# Altium PCB Motherboard.PcbDoc (part 2 of 2) (continued)
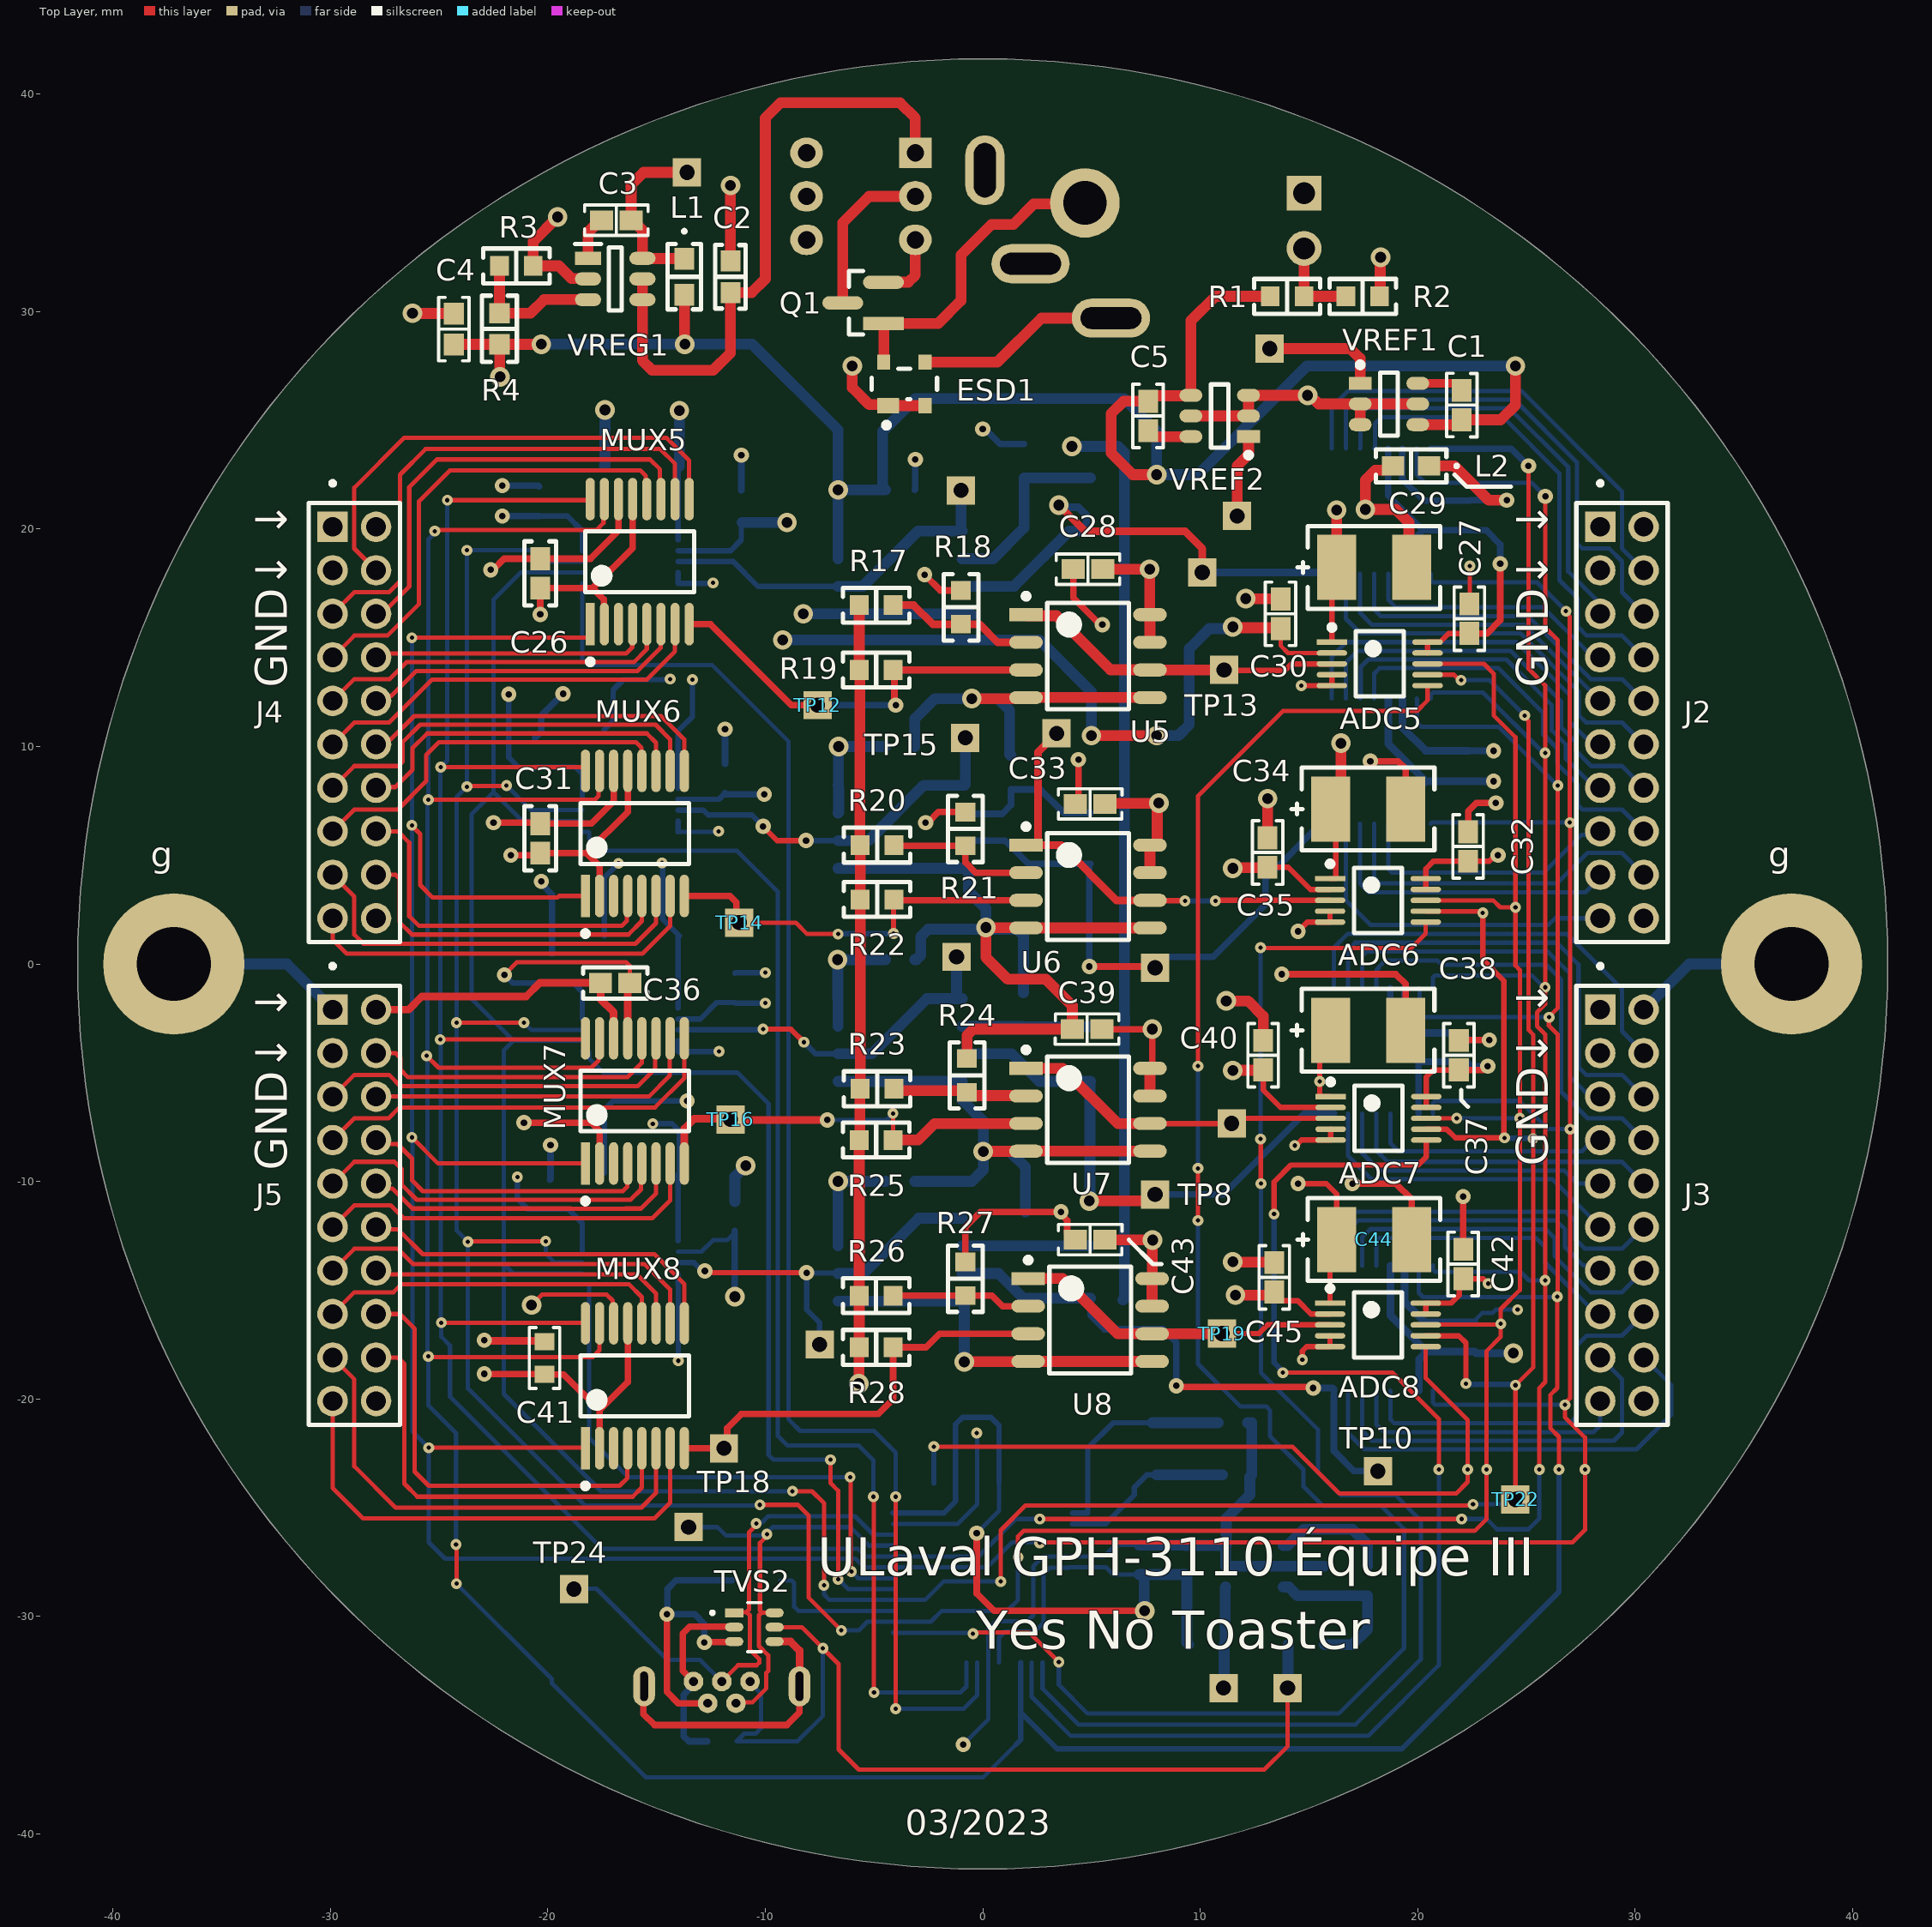
[diagram p0: Top Layer view]
## Nets (pads, with @x,y where several pads share a name; then routed paths per layer and width w, separated by ;. In a path a pad name is that pad's centre, name@x,y a point inside that pad or via, vN(x,y) a via of type N, cw(c..) or ccw(c..) an arc to the next point about the centre after c; other vN are vias at no path point) (continued)
E6: J3.14 MUX4.11 | length 16.5
  Bottom Layer w0.2: MUX4.11@17.45,-13.873 17.45,-12.574 17.828,-12.195 24.497,-12.195 24.501,-12.2 25.9,-12.2 26.3,-12.6 26.3,-13.434 27.966,-15.1 29.4,-15.1 J3.14@30.4,-14.1
E7: J3.7 MUX4.10 | length 14.8
  Bottom Layer w0.2: MUX4.10@16.8,-13.873 16.8,-12.249 17.253,-11.795 24.722,-11.795 24.726,-11.8 26.375,-11.8 26.775,-12.2 26.775,-13.025 27.62,-13.87 28.17,-13.87 J3.7@28.4,-14.1
E8: J3.15 MUX4.9 | length 18
  Bottom Layer w0.2: MUX4.9@16.15,-13.873 16.15,-11.974 16.728,-11.395 26.82,-11.395 27.25,-11.825 27.25,-12.649 27.701,-13.1 29.4,-13.1 J3.15@30.4,-12.1
F1: J4.17 MUX5.4 | length 13
  Top Layer w0.2: J4.17@-27.9,14.1 -27.725,14.275 -16.4,14.275 -16.12,14.555 -16.12,15.603 MUX5.4@-16.1,15.623
F2: J4.5 MUX5.5 | length 16.6
  Top Layer w0.2: J4.5@-29.9,12.1 -28.9,13.1 -27.275,13.1 -26.5,13.875 -16.046,13.875 -15.45,14.471 MUX5.5@-15.45,15.623
F3: J4.16 MUX5.6 | length 15.2
  Top Layer w0.2: J4.16@-27.9,12.1 -27.67,12.33 -27.195,12.33 -26.05,13.475 -15.875,13.475 -14.808,14.542 -14.808,15.615 MUX5.6@-14.8,15.623
F4: J4.6 MUX5.7 | length 18.8
  Top Layer w0.2: J4.6@-29.9,10.1 -28.9,11.1 -27.3,11.1 -25.325,13.075 -15.45,13.075 -14.15,14.375 MUX5.7@-14.15,15.623
F5: J4.4 MUX5.12 | length 21.9
  Top Layer w0.2: J4.4@-29.9,14.1 -28.9,15.1 -27.375,15.1 -25.925,16.55 -25.925,21.275 -24.5,22.7 -15.75,22.7 -15.492,22.442 -15.492,21.416 MUX5.12@-15.45,21.374
F6: J4.18 MUX5.11 | length 20.3
  Top Layer w0.2: J4.18@-27.9,16.1 -27.625,16.1 -26.375,17.35 -26.375,21.925 -25.1,23.2 -15.3,23.2 -14.842,22.742 -14.842,21.416 MUX5.11@-14.8,21.374
F7: J4.3 MUX5.10 | length 23.7
  Top Layer w0.2: J4.3@-29.9,16.1 -28.9,17.1 -27.3,17.1 -26.8,17.6 -26.8,22.5 -25.625,23.675 -14.825,23.675 -14.15,23 MUX5.10@-14.15,21.374
F8: J4.19 MUX5.9 | length 22.8
  Top Layer w0.2: J4.19@-27.9,18.1 -28.905,19.105 -28.905,19.271 -28.9,19.276 -28.9,21.9 -26.6,24.2 -14.55,24.2 -13.5,23.15 MUX5.9@-13.5,21.374
G1: J4.13 MUX6.4 | length 16.6
  Top Layer w0.2: J4.13@-27.9,6.1 -26.9,6.1 -26.375,5.575 -26.375,2.2 -25.925,1.75 -16.6,1.75 -16.367,1.983 -16.367,3.082 MUX6.4@-16.325,3.125
G2: J4.12 MUX6.5 | length 15.9
  Top Layer w0.2: J4.12@-27.9,4.1 -27,4.1 -26.825,3.925 -26.825,1.925 -26.25,1.35 -16.297,1.35 -15.675,1.972 MUX6.5@-15.675,3.125
G3: J4.9 MUX6.6 | length 18.9
  Top Layer w0.2: J4.9@-29.9,4.1 -28.9,3.1 -28.9,1.35 -28.475,0.925 -15.975,0.925 -15.025,1.875 MUX6.6@-15.025,3.125
G4: J4.10 MUX6.7 | length 18.7
  Top Layer w0.2: J4.10@-29.9,2.1 -29.9,1.125 -29.25,0.475 -15.65,0.475 -14.375,1.75 MUX6.7@-14.375,3.125
G5: J4.8 MUX6.12 | length 17.8
  Top Layer w0.2: J4.8@-29.9,6.1 -28.9,7.1 -26.9,7.1 -25.6,8.4 -25.6,9.6 -25,10.2 -15.95,10.2 -15.695,9.945 -15.695,8.895 MUX6.12@-15.675,8.875
G6: J4.14 MUX6.11 | length 16
  Top Layer w0.2: J4.14@-27.9,8.1 -27.867,8.133 -27.017,8.133 -26.225,8.925 -26.225,9.925 -25.55,10.6 -15.45,10.6 -15.025,10.175 MUX6.11@-15.025,8.875
G7: J4.7 MUX6.10 | length 19
  Top Layer w0.2: J4.7@-29.9,8.1 -28.9,9.1 -26.875,9.1 -26.675,9.3 -26.675,10.2 -25.875,11 -15.05,11 -14.375,10.325 MUX6.10@-14.375,8.875
G8: J4.15 MUX6.9 | length 16.6
  Top Layer w0.2: J4.15@-27.9,10.1 -27.67,10.33 -27.22,10.33 -26.15,11.4 -14.8,11.4 -13.725,10.325 MUX6.9@-13.725,8.875
H1: J5.17 MUX7.4 | length 14.3
  Top Layer w0.2: J5.17@-27.9,-8.1 -27.718,-8.282 -26.918,-8.282 -26.25,-8.95 -26.25,-9.95 -25.75,-10.45 -18.613,-10.45 -18.61,-10.453 -16.764,-10.453 -16.76,-10.45 -16.55,-10.45 -16.345,-10.245 -16.345,-9.195 MUX7.4@-16.325,-9.175
H2: J5.5 MUX7.5 | length 17.2
  Top Layer w0.2: J5.5@-29.9,-10.1 -28.9,-9.1 -27.05,-9.1 -26.725,-9.425 -26.725,-10.15 -26.025,-10.85 -18.778,-10.85 -18.775,-10.853 -16.598,-10.853 -16.595,-10.85 -16.197,-10.85 -15.717,-10.37 -15.717,-9.218 MUX7.5@-15.675,-9.175
H3: J5.16 MUX7.6 | length 15
  Top Layer w0.2: J5.16@-27.9,-10.1 -27.67,-10.33 -27.145,-10.33 -26.225,-11.25 -18.944,-11.25 -18.941,-11.253 -16.432,-11.253 -16.429,-11.25 -15.713,-11.25 -15.025,-10.562 MUX7.6@-15.025,-9.175
H4: J5.6 MUX7.7 | length 18.2
  Top Layer w0.2: J5.6@-29.9,-12.1 -28.9,-11.1 -27.225,-11.1 -26.625,-11.7 -15.2,-11.7 -14.375,-10.875 MUX7.7@-14.375,-9.175
H5: J5.19 MUX7.12 | length 14.4
  Top Layer w0.2: J5.19@-27.9,-4.1 -27,-4.1 -26.775,-4.325 -26.775,-4.875 -26.45,-5.2 -16.325,-5.2 -15.675,-4.55 MUX7.12@-15.675,-3.425
H6: J5.3 MUX7.11 | length 17.2
  Top Layer w0.2: J5.3@-29.9,-6.1 -28.9,-5.1 -27.3,-5.1 -26.775,-5.625 -15.875,-5.625 -15.067,-4.817 -15.067,-3.467 MUX7.11@-15.025,-3.425
H7: J5.18 MUX7.10 | length 15.6
  Top Layer w0.2: J5.18@-27.9,-6.1 -15.35,-6.1 -14.4,-5.15 -14.4,-3.45 MUX7.10@-14.375,-3.425
H8: J5.4 MUX7.9 | length 19.2
  Top Layer w0.2: J5.4@-29.9,-8.1 -28.9,-7.1 -27.325,-7.1 -26.825,-6.6 -15.075,-6.6 -13.725,-5.25 MUX7.9@-13.725,-3.425
I1: J5.13 MUX8.4 | length 20.2
  Top Layer w0.2: J5.13@-27.9,-16.1 -26.8,-16.1 -26.125,-16.775 -26.125,-23.35 -25.475,-24 -16.7,-24 -16.348,-23.648 -16.348,-22.298 MUX8.4@-16.325,-22.275
I2: J5.12 MUX8.5 | length 20.1
  Top Layer w0.2: J5.12@-27.9,-18.1 -26.9,-18.1 -26.6,-18.4 -26.6,-23.9 -26,-24.5 -16.1,-24.5 -15.675,-24.075 MUX8.5@-15.675,-22.275
I3: J5.9 MUX8.6 | length 22.4
  Top Layer w0.2: J5.9@-29.9,-18.1 -28.9,-19.1 -28.9,-23.1 -27,-25 -15.7,-25 -15.025,-24.325 MUX8.6@-15.025,-22.275
I4: J5.10 MUX8.7 | length 22.9
  Top Layer w0.2: J5.10@-29.9,-20.1 -29.9,-24.1 -28.5,-25.5 -15.1,-25.5 -14.375,-24.775 MUX8.7@-14.375,-22.275
I5: J5.8 MUX8.12 | length 16.2
  Top Layer w0.2: J5.8@-29.9,-16.1 -28.9,-15.1 -27.1,-15.1 -26.725,-14.725 -16.275,-14.725 -15.675,-15.325 MUX8.12@-15.675,-16.525
I6: J5.14 MUX8.11 | length 14.7
  Top Layer w0.2: J5.14@-27.9,-14.1 -27.725,-14.275 -15.9,-14.275 -15.025,-15.15 MUX8.11@-15.025,-16.525
I7: J5.7 MUX8.10 | length 18.3
  Top Layer w0.2: J5.7@-29.9,-14.1 -28.9,-13.1 -26.9,-13.1 -26.2,-13.8 -15.55,-13.8 -14.375,-14.975 MUX8.10@-14.375,-16.525
I8: J5.15 MUX8.9 | length 17.1
  Top Layer w0.2: J5.15@-27.9,-12.1 -27.787,-12.213 -26.887,-12.213 -25.75,-13.35 -15.1,-13.35 -13.725,-14.725 MUX8.9@-13.725,-16.525
MISO: ADC1.7 ADC2.7 ADC3.7 ADC4.7 ADC5.7 ADC6.7 ADC7.7 ADC8.7 ATSAMD1.28 TP22.1 | length 177.4
  Top Layer w0.2: v1(-8.75,-24.25) -7.85,-24.25 -7.3,-24.8 v1(-7.3,-28.575) ; v1(0.825,-28.4) 0.825,-26.05 1.975,-24.9 22.5,-24.9 v1(22.55,-24.85) ; ADC6.7@20.385,2.415 22.853,2.415 22.919,2.35 v1(23,2.35) ; ADC5.7@20.458,13.3 21.669,13.3 21.919,13.05 v1(22,13.05) ; TP22.1@24.5,-24.625 v1(24.5,-19.375) 25.314,-18.561 v1(25.314,-8.036) 25.314,-3.245 25.1,-3.031 25.1,11.169 24.925,11.344 v1(24.925,11.425)
  Top Layer w0.25: ADC8.7@20.375,-17.1 21.898,-17.1 22.225,-17.427 v1(22.225,-19.3) ; ADC7.7@20.4,-7.6 21.335,-7.6 21.735,-8 v1(24,-8) 23.975,-7.975 23.975,-0.775 23,0.2 v1(23,2.35)
  Bottom Layer w0.2: ADC4.7@-18.417,-14.235 -21.59,-14.235 -22.025,-13.8 ; ADC3.7@-18.417,-3.529 -21.584,-3.529 ; ADC2.7@-18.417,6.571 -21.171,6.571 -22.5,7.9 ; ADC1.7@-18.417,18.003 -18.418,18.002 -21.248,18.002 -22.5,16.75 -22.5,7.9 ; v1(-8.75,-24.25) -17.55,-24.25 -22.025,-19.775 -22.025,-13.8 ; v1(-7.3,-28.575) -7.3,-29 -7.05,-29.25 ATSAMD1.28@-4.125,-29.25 -2.65,-29.25 -1.8,-28.4 v1(0.825,-28.4) ; v1(22,13.05) 23.3,13.05 v1(24.925,11.425) ; v1(22.55,-24.85) 23.95,-24.85 24.1,-24.7 TP22.1@24.1,-24.625 ; TP22.1@24.5,-24.625 TP22.1@24.1,-24.625 ; TP22.1@24.525,-24.175 24.1,-24.6 TP22.1@24.1,-24.625 ; -22.5,7.9 -23.5,6.9 -23.5,-1.613 -21.584,-3.529 ; -22.025,-13.8 -22.025,-3.971 -21.584,-3.529
  Bottom Layer w0.25: v1(22.225,-19.3) 22.263,-19.338 24.462,-19.338 v1(24.5,-19.375) ; v1(24,-8) 24.018,-8.018 25.296,-8.018 v1(25.314,-8.036)
NetADC1_3: ADC1.3 TP5.1 U1.1 U1.6 | length 16.5
  Bottom Layer w0.25: ADC1.3@-14.017,18.503 -11.478,18.503 -10.34,17.365 U1.6@-6.65,17.365
  Bottom Layer w0.5: U1.6@-6.65,17.365 -5.51,17.365 -2.97,19.905 U1.1@-0.95,19.905 -1,19.955 TP5.1@-1,21.775
NetADC2_3: ADC2.3 TP7.1 U2.1 U2.6 | length 17
  Top Layer w0.25: v2(-10.1,6.325) -9.45,5.675 v2(-8.125,5.675)
  Bottom Layer w0.25: ADC2.3@-14.017,7.071 -12.844,7.071 -12.623,6.85 -10.625,6.85 v2(-10.1,6.325) ; v2(-8.125,5.675) -8.123,5.673 -6.652,5.673 U2.6@-6.65,5.671
  Bottom Layer w0.5: U2.6@-6.65,5.671 -5.254,5.671 -2.714,8.211 U2.1@-0.95,8.211 -0.85,8.211 -0.8,8.261 TP7.1@-0.8,10.4
NetADC3_3: ADC3.3 TP9.1 U3.1 U3.6 | length 16.5
  Top Layer w0.25: v1(-10.1,-3) -8.825,-3 v1(-8.225,-3.6)
  Bottom Layer w0.25: ADC3.3@-14.017,-3.029 -10.129,-3.029 v1(-10.1,-3) ; v1(-8.225,-3.6) -7.69,-4.135 U3.6@-6.65,-4.135
  Bottom Layer w0.5: U3.6@-6.65,-4.135 -5.11,-4.135 -2.57,-1.595 U3.1@-1.15,-1.595 ; TP9.1@-1.2,0.325 -1.2,-1.545 U3.1@-1.15,-1.595 ; U3.1@-0.95,-1.595 U3.1@-1.15,-1.595
NetADC4_3: ADC4.3 TP11.1 U4.1 U4.6 | length 17.9
  Top Layer w0.25: v2(-12.777,-14.118) -12.695,-14.2 v2(-8.1,-14.2)
  Bottom Layer w0.25: ADC4.3@-14.017,-13.735 -13.282,-13.735 -12.899,-14.118 v2(-12.777,-14.118) ; TP11.1@-7.5,-17.5 -7.5,-16.5 -8.1,-15.9 v2(-8.1,-14.2) -8.083,-14.217 -6.667,-14.217 U4.6@-6.65,-14.235
  Bottom Layer w0.5: U4.6@-6.65,-14.235 -5.485,-14.235 -2.945,-11.695 U4.1@-0.95,-11.695
NetADC5_3: ADC5.3 TP13.1 U5.1 U5.6 | length 15.3
  Top Layer w0.25: TP13.1@11.1,13.52 11.12,13.5 13.9,13.5 14.2,13.8 ADC5.3@16.058,13.8
  Top Layer w0.5: U5.1@1.992,16.06 2.042,16.01 3.39,16.01 5.875,13.525 7.692,13.525 7.697,13.52 TP13.1@11.1,13.52
NetADC6_3: ADC6.3 TP15.1 U6.1 U6.6 | length 20.7
  Top Layer w0.25: U6.6@7.692,2.925 7.704,2.912 9.288,2.912 v1(9.3,2.9) ; v1(10.7,2.9) 10.725,2.925 ADC6.3@15.975,2.925
  Top Layer w0.35: U6.1@1.992,5.465 U6.1@2.425,5.465 ; TP15.1@3.466,10.666 2.55,9.75 2.55,5.59 U6.1@2.425,5.465 ; U6.6@7.692,2.925 6.15,2.925 3.61,5.465 2.55,5.465 U6.1@2.425,5.465
  Bottom Layer w0.25: v1(9.3,2.9) v1(10.7,2.9)
NetADC7_3: ADC7.3 TP17.1 U7.1 U7.6 | length 15.2
  Top Layer w0.25: U7.6@7.692,-7.34 TP17.1@11.45,-7.34 11.69,-7.1 ADC7.3@16,-7.1
  Top Layer w0.5: U7.1@1.992,-4.8 3.675,-4.8 6.215,-7.34 U7.6@7.692,-7.34
NetADC8_3: ADC8.3 TP19.1 U8.1 U8.6 | length 15.1
  Top Layer w0.25: TP19.1@11.005,-16.995 12.705,-16.995 13.1,-16.6 ADC8.3@15.975,-16.6
  Top Layer w0.5: U8.1@2.092,-14.47 3.665,-14.47 6.205,-17.01 U8.6@7.792,-17.01 7.797,-17.005 10.995,-17.005 TP19.1@11,-17
NetC1_1: C1.1 VREF1.6 | length 2.2
  Top Layer w0.4: VREF1.6@20.008,26.7 21.777,26.7 22.033,26.444 C1.1@22.033,26.377
NetC2_2: C2.2 S1.1 VREG1.4 VREG1.5 | length 29.4
  Top Layer w0.5: VREG1.5@-15.65,31.5 VREG1.4@-15.65,30.55 -15.65,27.75 -15.2,27.3 -12.4,27.3 -11.6,28.1 C2.2@-11.6,30.873 -10.627,30.873 -10,31.5 -10,38.9 -9.3,39.6 -3.8,39.6 -3.1,38.9 S1.1@-3.1,37.3
NetC3_1: C3.1 L1.1 TP3.1 VREG1.6 | length 8.4
  Top Layer w0.5: L1.1@-13.725,32.426 -13.737,32.438 -15.638,32.438 VREG1.6@-15.65,32.45 -15.65,33.75 -16.1,34.2 C3.1@-16.173,34.2 -16.173,35.827 -15.6,36.4 TP3.1@-13.6,36.4
NetC3_2: C3.2 VREG1.1 | length 2.1
  Top Layer w0.5: VREG1.1@-18.15,32.45 -18.15,33.65 -17.6,34.2 C3.2@-17.527,34.2
NetC5_1: C5.1 VREF2.6 | length 2.1
  Top Layer w0.5: C5.1@7.608,24.523 7.608,24.456 7.814,24.25 VREF2.6@9.575,24.25
NetC46_2: C46.2 VREF3.4 | length 5.5
  Bottom Layer w0.5: VREF3.4@13.825,-26.75 14.023,-26.75 14.773,-26 17,-26 17.7,-26.7 C46.2@17.7,-27.7
NetC50_2: C50.2 FB2.1 TP21.1 TVS2.5 USB1.1 | length 45
  Top Layer w0.2: TVS2.5@-9.573,-30.5 -8.325,-30.5 -6.625,-32.2 -6.625,-36.125 -5.7,-37.05 12.95,-37.05 14.025,-35.975 TP21.1@14.025,-33.3
  Bottom Layer w0.2: USB1.1@-10.7,-33 -10.7,-33.061 -10.2,-33.561 -10.2,-35.15 -10.444,-35.394 -10.967,-35.394 C50.2@-11.323,-35.75 -8.525,-35.75 -7.35,-34.575 v1(-7.35,-31.475)
  Bottom Layer w0.5: TP21.1@14.025,-33.3 14.04,-33.285 14.04,-31.315 FB2.1@14.055,-31.3
NetD1_1: D1.1 TVS2.3 USB1.4 | length 14.1
  Top Layer w0.3: v2(-14.525,-29.9) -14.525,-33.475 -14,-34 USB1.4@-12.65,-34 ; v2(-12.8,-31.2) -12.78,-31.18 -11.447,-31.18 TVS2.3@-11.427,-31.16
  Bottom Layer w0.3: v2(-12.8,-31.2) -12.8,-30.35 -13.25,-29.9 v2(-14.525,-29.9) -14.5,-29.875 -14.5,-28.75 -14.1,-28.35 D1.1@-11.525,-28.35
NetESD1_3: ESD1.3 J1.2 | length 9.4
  Top Layer w0.5: ESD1.3@-2.65,27.675 0.675,27.675 2.7,29.7 J1.2@5.9,29.7
NetESD1_4: ESD1.4 J1.1 Q1.1 | length 14.6
  Top Layer w0.5: ESD1.4@-4.55,27.675 -4.55,29.435 Q1.1@-4.565,29.45 -2.05,29.45 -1,30.5 -1,32.6 0.4,34 1.4,34 2.35,34.95 4.65,34.95 J1.1@4.7,35
NetFB1_2: FB1.2 TP20.1 VREF3.1 | length 4.7
  Bottom Layer w0.5: TP20.1@11.075,-33.3 11.099,-33.276 11.099,-31.324 FB1.2@11.123,-31.3 11.149,-31.274 11.149,-28.676 VREF3.1@11.175,-28.65
NetJ3_3: J3.3 MUX3.11 | length 18.1
  Bottom Layer w0.2: MUX3.11@17.45,-1.124 17.45,0.375 17.65,0.575 25.984,0.575 27,-0.441 27,-5.175 27.695,-5.87 28.17,-5.87 J3.3@28.4,-6.1
NetJ3_4: J3.4 MUX3.4 | length 11.4
  Bottom Layer w0.2: MUX3.4@18.75,-6.875 18.75,-8.25 19.125,-8.625 27.55,-8.625 28.075,-8.1 J3.4@28.4,-8.1
NetJ3_5: J3.5 MUX3.6 | length 13.4
  Bottom Layer w0.2: MUX3.6@17.45,-6.875 17.45,-8.7 18.25,-9.5 26.75,-9.5 27.35,-10.1 J3.5@28.4,-10.1
NetJ3_6: J3.6 MUX3.7 | length 14.9
  Bottom Layer w0.2: MUX3.7@16.8,-6.875 16.8,-8.825 17.875,-9.9 26.2,-9.9 J3.6@28.4,-12.1
NetJ3_16: J3.16 MUX3.5 | length 14.6
  Bottom Layer w0.2: MUX3.5@18.1,-6.875 18.1,-8.575 18.625,-9.1 29.4,-9.1 J3.16@30.4,-10.1
NetJ3_17: J3.17 MUX3.12 | length 19.8
  Bottom Layer w0.2: MUX3.12@18.1,-1.124 18.1,-0.297 18.21,-0.187 18.21,-0.15 18.514,0.153 20.911,0.153 21.098,-0.033 25.908,-0.033 26.6,-0.725 26.6,-5.875 27.825,-7.1 29.4,-7.1 J3.17@30.4,-8.1
NetJ3_18: J3.18 MUX3.10 | length 21.2
  Bottom Layer w0.2: MUX3.10@16.8,-1.124 16.8,0.65 17.125,0.975 26.4,0.975 27.4,-0.025 27.4,-4.75 27.75,-5.1 29.4,-5.1 J3.18@30.4,-6.1
NetJ3_19: J3.19 MUX3.9 | length 19.8
  Bottom Layer w0.2: MUX3.9@16.15,-1.124 16.15,0.75 16.775,1.375 26.875,1.375 29.4,-1.15 29.4,-3.1 J3.19@30.4,-4.1
NetLED1_2: LED1.2 R1.2 R2.2 | length 4.1
  Top Layer w0.5: LED1.2@14.777,32.9 R1.2@14.777,30.7 R2.2@16.7,30.7
NetMUX1_8: MUX1.8 R7.2 TP4.1 U1.3 | length 23.7
  Top Layer w0.35: v3(3.5,21.1) 4.7,19.9 9.3,19.9 10.1,19.1 TP4.1@10.1,18.003
  Bottom Layer w0.35: v3(3.5,21.1) 3.605,20.995 4.405,20.995 4.766,20.634 4.766,20.104 R7.2@4.965,19.905 ; TP4.1@10.1,18.003 16.017,18.003 16.05,17.97 MUX1.8@16.05,17.949
  Bottom Layer w0.5: U1.3@-0.95,17.365 1.44,17.365 3.98,19.905 R7.2@4.965,19.905
NetMUX2_8: MUX2.8 R10.2 TP6.1 U2.3 | length 25.7
  Top Layer w0.3: v2(4.908,-0.117) 7.867,-0.117 TP6.1@7.925,-0.175
  Bottom Layer w0.3: U2.3@-0.95,5.671 1.029,5.671 2.1,4.6 R10.2@4.965,4.6 4.908,4.542 v2(4.908,-0.117) ; TP6.1@7.925,-0.175 8.425,0.325 10.599,0.325 13,2.726 13,3.9 15.549,6.449 MUX2.8@16.05,6.449
NetMUX3_8: MUX3.8 R13.2 TP8.1 U3.3 | length 24.9
  Top Layer w0.5: v3(4.9,-10.9) 7.625,-10.9 TP8.1@7.925,-10.6
  Bottom Layer w0.3: TP8.1@7.925,-10.6 11.074,-10.6 14.799,-6.875 MUX3.8@16.15,-6.875
  Bottom Layer w0.5: U3.3@-0.95,-4.135 1.335,-4.135 2.605,-5.405 R13.2@4.965,-5.405 4.933,-5.438 4.933,-10.867 v3(4.9,-10.9)
NetMUX4_8: MUX4.8 R16.2 TP10.1 U4.3 | length 26
  Top Layer w0.3: v2(8.9,-19.4) 8.95,-19.45 15.15,-19.45 v2(15.2,-19.5)
  Bottom Layer w0.3: R16.2@4.965,-15.375 4.965,-16.165 5.6,-16.8 8.3,-16.8 8.9,-17.4 v2(8.9,-19.4) ; v2(15.2,-19.5) 16.094,-19.5 16.15,-19.556 MUX4.8@16.15,-19.624 ; MUX4.8@16.15,-19.8 16.15,-22.4 17.075,-23.325 TP10.1@18.175,-23.325
  Bottom Layer w0.5: U4.3@-0.95,-14.235 0.735,-14.235 1.875,-15.375 R16.2@4.965,-15.375
NetMUX5_8: MUX5.8 R19.2 TP12.1 U5.3 | length 18.8
  Top Layer w0.3: MUX5.8@-13.5,15.623 -12.523,15.623 -8.8,11.9 TP12.1@-7.6,11.9 ; R19.2@-4.123,13.52 -4.062,13.458 -4.062,11.962 v2(-4,11.9)
  Top Layer w0.35: R19.2@-4.123,13.52 U5.3@1.992,13.52
  Bottom Layer w0.3: TP12.1@-7.6,11.9 v2(-4,11.9)
NetMUX6_8: MUX6.8 R22.2 TP14.1 U6.3 | length 18.5
  Top Layer w0.2: TP14.1@-11.2,1.9 -8.6,1.9 -8.075,1.375 v1(-6.65,1.375)
  Top Layer w0.25: v1(-4.1,1.4) -4.1,2.946 R22.2@-4.082,2.965
  Top Layer w0.3: MUX6.8@-13.725,3.125 -11.625,3.125 -11.324,2.824 -11.324,2.024 TP14.1@-11.2,1.9 ; R22.2@-4.082,2.965 -4.042,2.925 U6.3@1.992,2.925
  Bottom Layer w0.25: v1(-6.65,1.375) -6.638,1.388 -4.112,1.388 v1(-4.1,1.4)
NetMUX7_8: MUX7.8 R25.2 TP16.1 U7.3 | length 19.4
  Top Layer w0.2: v1(-4.125,-6.875) -4.125,-8.098 R25.2@-4.123,-8.1
  Top Layer w0.35: MUX7.8@-13.725,-9.175 -13.725,-7.575 -13.275,-7.125 -12.175,-7.125 -11.9,-6.85 -11.575,-7.175 v2(-7.15,-7.175)
  Top Layer w0.5: R25.2@-4.123,-8.1 -2.975,-8.1 -2.215,-7.34 U7.3@1.992,-7.34
  Bottom Layer w0.2: v2(-7.15,-7.175) -4.425,-7.175 v1(-4.125,-6.875)
NetMUX8_8: MUX8.8 R28.2 TP18.1 U8.3 | length 19.9
  Top Layer w0.3: MUX8.8@-13.725,-22.275 TP18.1@-11.9,-22.275 -11.751,-22.127 -11.751,-21.351 -11.1,-20.7 -4.8,-20.7 -4.123,-20.023 R28.2@-4.123,-17.63 -2.605,-17.63 -1.985,-17.01 U8.3@2.092,-17.01
NetQ1_3: Q1.3 S1.2 | length 7.5
  Top Layer w0.5: Q1.3@-6.435,30.4 -6.435,34.09 -5.225,35.3 S1.2@-3.1,35.3
NetR3_1: R3.1 R4.1 VREG1.3 | length 6.5
  Top Layer w0.5: R3.1@-22.225,32.1 R4.1@-22.225,29.923 -20.802,29.923 -20.175,30.55 VREG1.3@-18.15,30.55
NetR5_2: R5.2 R6.1 U1.2 | length 8.8
  Bottom Layer w0.5: U1.2@-0.95,18.635 0.485,18.635 1.9,20.05 R6.1@1.9,22.349 R5.2@4.965,22.349
NetR8_2: R8.2 R9.1 U2.2 | length 7.3
  Bottom Layer w0.3: U2.2@-0.95,6.941 -0.909,6.9 0.9,6.9 1.3,7.3 R9.1@1.3,8.025 2.649,8.025 3.733,6.941 R8.2@4.965,6.941
NetR11_2: R11.2 R12.1 U3.2 | length 5.9
  Bottom Layer w0.5: U3.2@-0.95,-2.865 -0.937,-2.877 1.846,-2.877 R12.1@1.858,-2.89 R11.2@4.965,-2.89
NetR14_2: R14.2 R15.1 U4.2 | length 5.9
  Bottom Layer w0.5: U4.2@-0.95,-12.965 -0.949,-12.966 R15.1@1.958,-12.967 R15.1@1.958,-12.967 R15.1@1.958,-12.967 4.964,-12.966 R14.2@4.965,-12.965
NetR17_2: R17.2 R18.1 U5.2 | length 6.8
  Top Layer w0.35: R17.2@-4.123,16.502 -3.177,16.502 -2.298,15.623 R18.1@-1,15.623 -0.148,15.623 0.685,14.79 U5.2@1.992,14.79
NetR20_2: R20.2 R21.1 U6.2 | length 7
  Top Layer w0.3: R20.2@-4.082,5.465 -4.046,5.429 R21.1@-0.8,5.429 -0.8,4.675 -0.32,4.195 U6.2@1.992,4.195
NetR23_2: R23.2 R24.1 U7.2 | length 6.2
  Top Layer w0.5: R23.2@-4.082,-5.74 -4.001,-5.821 -0.806,-5.821 R24.1@-0.725,-5.902 -0.576,-6.051 1.973,-6.051 U7.2@1.992,-6.07
NetR26_2: R26.2 R27.1 U8.2 | length 6.4
  Top Layer w0.3: R26.2@-4.125,-15.255 R27.1@-0.8,-15.255 0.43,-15.255 0.915,-15.74 U8.2@2.092,-15.74
NetTVS2_4: TVS2.4 USB1.6 USB1.7 | length 13.1
  Top Layer w0.3: USB1.7@-15.575,-33.22 -15.6,-33.245 -15.6,-34.5 -15.1,-35 -9,-35 -8.425,-34.425 USB1.6@-8.425,-33.22
  Top Layer w0.35: TVS2.4@-9.573,-31.16 -8.84,-31.16 -8.425,-31.575 USB1.6@-8.425,-33.22
SCLK: ADC1.8 ADC2.8 ADC3.8 ADC4.8 ADC5.8 ADC6.8 ADC7.8 ADC8.8 ATSAMD1.26 | length 175
  Top Layer w0.2: v1(-24.2,-2.7) v1(-21.1,-2.7) ; v1(-23.725,8.15) -23.7,8.175 -21.925,8.175 v1(-21.9,8.2) ; v1(-23.675,-12.775) -23.662,-12.762 -20.112,-12.762 v1(-20.1,-12.75) ; v1(-10.25,-24.875) -8.5,-24.875 -8,-25.375 -8,-29.15 v1(-6.5,-30.65) ; v1(1.625,-27.275) 1.625,-26.325 1.875,-26.075 22.625,-26.075 23.175,-25.525 v1(23.175,-23.25) 23.175,-17.8 23.825,-17.15 v1(23.825,-16.55) ; ADC8.8@20.375,-16.6 20.385,-16.59 23.785,-16.59 v1(23.825,-16.55) ; ADC6.8@20.375,2.925 23.475,2.925 23.8,2.6 v1(24.5,2.6) ; ADC7.8@20.4,-7.1 v1(21.8,-7.1) ; ADC5.8@20.458,13.8 23.05,13.8 23.5,13.35 23.5,11.425 24.5,10.425 v1(24.5,2.6) ; v1(23.825,-16.55) 23.825,-15.875 24.7,-15 v1(24.7,-7.1) 24.7,-0.273 24.5,-0.073 v1(24.5,2.6)
  Bottom Layer w0.2: v1(-21.9,8.2) -20.771,7.071 ADC2.8@-18.417,7.071 ; v1(-21.1,-2.7) -20.771,-3.029 ADC3.8@-18.417,-3.029 ; v1(-20.1,-12.75) -20.1,-13.325 -19.69,-13.735 ADC4.8@-18.417,-13.735 ; ADC1.8@-18.417,18.503 -20.218,18.503 -20.74,19.025 v1(-23.725,19.025) v1(-23.725,8.15) -24.2,7.675 v1(-24.2,-2.7) -24.2,-12.25 v1(-23.675,-12.775) -23.675,-19.525 -18.3,-24.9 -10.275,-24.9 v1(-10.25,-24.875) ; v1(-6.5,-30.65) -5.7,-30.65 -5.3,-30.25 ATSAMD1.26@-4.125,-30.25 -2.387,-30.25 -1.887,-29.75 1.125,-29.75 1.625,-29.25 v1(1.625,-27.275) ; v1(21.8,-7.1) v1(24.7,-7.1)
USBID: ATSAMD1.27 D1.2 | length 6.4
  Bottom Layer w0.2: D1.2@-9.3,-28.35 -8.792,-28.35 -8.675,-28.467 -8.675,-29.55 -8.475,-29.75 ATSAMD1.27@-4.125,-29.75
VBUS: C46.1 C49.2 FB2.2 VREF3.6 | length 7.9
  Bottom Layer w0.5: VREF3.6@13.825,-28.65 14.077,-28.65 14.481,-29.054 C49.2@15.7,-29.054 C46.1@17.7,-29.054 17.7,-30.6 17,-31.3 FB2.2@15.7,-31.3
VDDCORE: ATSAMD1.43
VDDIN: ATSAMD1.6 ATSAMD1.17 ATSAMD1.36 ATSAMD1.40 ATSAMD1.44 C47.2 C48.1 FB1.1 | length 42.4
  Top Layer w0.3: v2(-0.275,-26.175) -0.275,-28.95 0.525,-29.75 v3@7.25,-29.75
  Bottom Layer w0.2: v2(-0.275,-26.175) 0.75,-25.15 ATSAMD1.44@0.75,-23.875 ; ATSAMD1.17@0.75,-32.125 0.75,-30.975 1.025,-30.7 2.4,-30.7 2.8,-30.3 2.8,-28.05 3.09,-27.76 3.911,-27.76 3.925,-27.774 3.949,-27.75 ATSAMD1.6@4.125,-27.75 5.679,-27.75 6.006,-28.077 C48.1@7.2,-28.077
  Bottom Layer w0.25: ATSAMD1.36@-4.125,-25.25 -1.786,-25.25 -1.25,-24.715 ATSAMD1.40@-1.25,-23.875 ; ATSAMD1.40@-1.25,-23.875 -1.25,-21.175 -0.925,-20.85 0.375,-20.85 0.75,-21.225 ATSAMD1.44@0.75,-23.875
  Bottom Layer w0.5: C48.1@7.2,-28.077 C47.2@9.3,-28.077 9.389,-28.166 9.389,-31.211 FB1.1@9.477,-31.3 ; C48.1@7.4,-28.077 7.425,-28.102 7.425,-29.725 v3(7.45,-29.75)
X1: J2.4 MUX1.4 | length 12
  Bottom Layer w0.2: MUX1.4@18.65,17.949 18.65,16.75 19,16.4 25.775,16.4 27.73,14.445 28.075,14.1 J2.4@28.4,14.1
X2: J2.16 MUX1.5 | length 15.8
  Bottom Layer w0.2: MUX1.5@18,17.949 18,16.3 18.3,16 25.066,16 27.966,13.1 29.4,13.1 J2.16@30.4,12.1
X3: J2.5 MUX1.6 | length 14.5
  Bottom Layer w0.2: MUX1.6@17.35,17.949 17.35,16.15 17.9,15.6 24.9,15.6 J2.5@28.4,12.1
X4: J2.15 MUX1.7 | length 18.8
  Bottom Layer w0.2: MUX1.7@16.7,17.949 16.7,15.875 17.375,15.2 24.734,15.2 27.4,12.534 27.4,11.45 27.75,11.1 28.814,11.1 29.4,11.1 J2.15@30.4,10.1
X5: J2.17 MUX1.12 | length 21.9
  Bottom Layer w0.2: MUX1.12@18,23.7 18.042,23.742 18.042,24.842 18.35,25.15 23.925,25.15 26.525,22.55 26.525,17.65 27.375,16.8 27.375,15.5 27.775,15.1 29.4,15.1 J2.17@30.4,14.1
X6: J2.3 MUX1.11 | length 19.7
  Bottom Layer w0.2: MUX1.11@17.35,23.7 17.375,23.725 17.375,25.3 17.625,25.55 24.225,25.55 26.925,22.85 26.925,18.05 28.17,16.805 28.17,16.33 J2.3@28.4,16.1
X7: J2.18 MUX1.10 | length 22.8
  Bottom Layer w0.2: MUX1.10@16.7,23.7 16.7,25.5 17.15,25.95 24.45,25.95 27.325,23.075 27.325,19.351 27.576,19.1 28.814,19.1 29.4,18.514 29.4,17.1 J2.18@30.4,16.1
X8: J2.19 MUX1.9 | length 21.5
  Bottom Layer w0.2: MUX1.9@16.05,23.7 16.05,25.6 16.8,26.35 24.775,26.35 29.4,21.725 29.4,19.1 J2.19@30.4,18.1
XIN32: ATSAMD1.1 C51.2 Y1.2 | length 10.2
  Bottom Layer w0.25: ATSAMD1.1@4.125,-25.25 4.827,-25.25 4.828,-25.249 4.828,-22.272 6,-21.1 Y1.2@7.8,-21.1
  Bottom Layer w0.5: Y1.2@7.8,-21.1 C51.2@10.823,-21.1
XOUT32: ATSAMD1.2 C52.2 Y1.1 | length 7.8
  Bottom Layer w0.25: ATSAMD1.2@4.125,-25.75 5.65,-25.75 6.975,-24.425 6.975,-24.075 7.55,-23.5 Y1.1@7.8,-23.5
  Bottom Layer w0.5: Y1.1@8,-23.5 C52.2@11.023,-23.5
pads on no net: ATSAMD1.3 ATSAMD1.4 ATSAMD1.7 ATSAMD1.8 ATSAMD1.9 ATSAMD1.10 ATSAMD1.11 ATSAMD1.12 ATSAMD1.21 ATSAMD1.22 ATSAMD1.23 ATSAMD1.24 ATSAMD1.37 ATSAMD1.39 ATSAMD1.41 ATSAMD1.45 ATSAMD1.46 ATSAMD1.47 ATSAMD1.48 MUX1.3 MUX2.3 MUX3.3 MUX4.3 MUX5.3 MUX6.3 MUX7.3 MUX8.3 S1.4 S1.5 S1.6

## Polygon pours and split planes (outlines as drawn)
DGND on Int1 (GND) "DGND" (solid, remove dead copper, pour order 14): -41.625,0 ccw(c0,0) 0,-41.625 ccw(c0,0) 41.625,0 ccw(c0,0) 0,41.625 ccw(c0,0)
AGND on Int1 (GND) "AGND" (solid, remove dead copper, pour order 7): -18.5,-20.2 19.7,-20.2 19.6,26.4 -18.5,26.4
+3.3 on Int2 (PWR) "+3.3V" (solid, remove dead copper, pour order 37): -41.625,0 ccw(c0,0) 0,-41.625 ccw(c0,0) 41.625,0 ccw(c0,0) 0,41.625 ccw(c0,0)
+1.8 on Int2 (PWR) "+1.8V-1" (solid, remove dead copper, pour order 28): -12.5,-16.5 -8.089,-16.5 -7.97,29.5 -12.5,29.5
+5 on Int2 (PWR) "+5V-3" (solid, remove dead copper, pour order 17): 19.493,-19.5 26.5,-19.5 26.5,28.6 19.493,28.6
+1.8 on Int2 (PWR) "+1.8V-2" (solid, remove dead copper, pour order 30): 9.75,-16.5 13.05,-16.5 13.05,29.5 9.75,29.5
+5 on Int2 (PWR) "+5V" (solid, remove dead copper, pour order 29): -24.5,29.5 -19,29.5 -19,-21 -24.5,-21
+5 on Int2 (PWR) "+5V-1" (solid, remove dead copper, pour order 36): 9.5,29.5 6,29.5 6,-16.5 9.5,-16.5
+5 on Int2 (PWR) "+5V-2" (solid, remove dead copper, pour order 35): -7.966,29.5 -5.4,29.5 -5.4,-16.5 -8.111,-16.5

## Silkscreen, mask and mechanical layers (free items; w line width, h text height)
Top Overlay:
  lines w0.2: 6.717,-12.688 7.829,-13.8 8.217,-13.8 ; 21.7,22.5 22.259,21.941 24.3,21.941 ; 22,-5.8 22,-6.255 22.317,-6.572
  text "GND↓ ↓" at -31.5,12.7 h2.5 r90
  text "GND↓ ↓" at 26.5,12.7 h2.5 r90
  text "g" at -38.262,4.075 h2
  text "g" at 36.137,4.075 h2
  text "GND↓ ↓" at 26.5,-9.3 h2.5 r90
  text "GND↓ ↓" at -31.5,-9.5 h2.5 r90
  text "ULaval GPH-3110 Équipe III" at -7.6,-28.7 h3
  text "Yes No Toaster" at -0.3,-32.075 h3
  text "03/2023" at -3.55,-40.45 h2
Bottom Overlay:
  region: 9.15,-29 9.95,-29.8 8.45,-29.8
  lines w0.2: -19.9,-6.7 -17,-6.7 -16.3,-7.4 ; -1.3,12.7 -1.3,11.7 -1,11.4 ; 7.2,-31.4 8.5,-30.1 8.9,-30.1 9.2,-29.8
  text "↓ ↓GND" at -31.5,21 h2.5 r90
  text "↓ ↓GND" at 26.7,20.6 h2.5 r90
  text "g" at -36.178,4.075 h2
  text "g" at 38.222,4.075 h2
  text "↓ ↓GND" at 26.7,-1.4 h2.5 r90
  text "↓ ↓GND" at -31.5,-1.5 h2.5 r90
  text "03/2023" at 3.4,-40.45 h2

## Text inside footprints (layer, text, board x,y; h text height)
LED1: Mechanical 15 "K" at 13.507,36.71 h0.76 r270